# Allegro board hash851-X26_V1_0_180425.brd (continued)
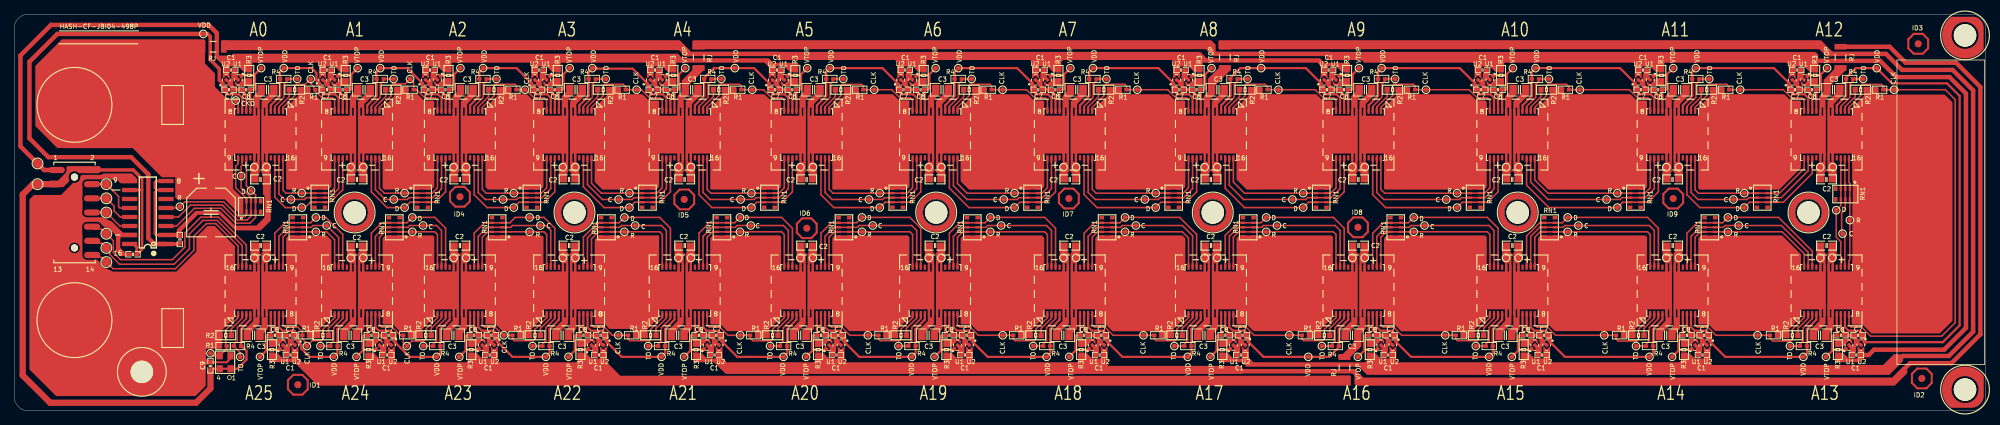
[diagram p0: board, top side]
## Placement (name value [footprint] x y rotation side) (continued)
VCORE  -  [PILLAR-10_2MM]  8.5 43.2 0 top
VCORE1  -  [TP40]  22.34 43.18 0 top
VDD_A0  -  [TP28]  26.66 53.21 180 top
VDD_A1  -  [TP28]  38.01 48.38 0 top
VDD_A2  -  [TP28]  51.61 48.38 0 top
VDD_A3  -  [TP28]  66.11 48.38 0 top
VDD_A4  -  [TP28]  81.51 48.38 0 top
VDD_A5  -  [TP28]  101.62 48.38 0 top
VDD_A6  -  [TP28]  115.01 48.38 0 top
VDD_A7  -  [TP28]  133.11 48.38 0 top
VDD_A8  -  [TP28]  152.11 48.38 0 top
VDD_A9  -  [TP28]  175.82 48.38 0 top
VDD_A10  -  [TP28]  192.81 48.38 0 top
VDD_A11  -  [TP28]  214.51 48.38 0 top
VDD_A12  -  [TP28]  237.11 48.38 0 top
VDD_A13  -  [TP28]  262.62 48.38 0 top
VDD_A14  -  [TP28]  252.28 7.62 180 top
VDD_A15  -  [TP28]  230.58 7.62 180 top
VDD_A16  -  [TP28]  207.98 7.62 180 top
VDD_A17  -  [TP28]  182.47 7.62 180 top
VDD_A18  -  [TP28]  165.48 7.62 180 top
VDD_A19  -  [TP28]  145.58 7.62 180 top
VDD_A20  -  [TP28]  126.58 7.62 180 top
VDD_A21  -  [TP28]  108.48 7.62 180 top
VDD_A22  -  [TP28]  91.28 7.62 180 top
VDD_A23  -  [TP28]  74.98 7.62 180 top
VDD_A24  -  [TP28]  59.58 7.62 180 top
VDD_A25  -  [TP28]  45.08 7.62 180 top
VTOP_A0  -  [TP28]  34.82 48.38 180 top
VTOP_A1  -  [TP28]  48.42 48.38 180 top
VTOP_A2  -  [TP28]  62.92 48.38 180 top
VTOP_A3  -  [TP28]  78.32 48.38 180 top
VTOP_A4  -  [TP28]  94.62 48.38 180 top
VTOP_A5  -  [TP28]  111.82 48.38 180 top
VTOP_A6  -  [TP28]  129.92 48.38 180 top
VTOP_A7  -  [TP28]  148.92 48.38 180 top
VTOP_A8  -  [TP28]  168.82 48.38 180 top
VTOP_A9  -  [TP28]  189.62 48.38 180 top
VTOP_A10  -  [TP28]  211.32 48.38 180 top
VTOP_A11  -  [TP28]  233.92 48.38 180 top
VTOP_A12  -  [TP28]  255.62 48.38 180 top
VTOP_A13  -  [TP28]  255.46 7.62 0 top
VTOP_A14  -  [TP28]  233.76 7.62 0 top
VTOP_A15  -  [TP28]  211.16 7.62 0 top
VTOP_A16  -  [TP28]  189.46 7.62 0 top
VTOP_A17  -  [TP28]  168.66 7.62 0 top
VTOP_A18  -  [TP28]  148.76 7.62 0 top
VTOP_A19  -  [TP28]  129.76 7.62 0 top
VTOP_A20  -  [TP28]  111.66 7.62 0 top
VTOP_A21  -  [TP28]  94.46 7.62 0 top
VTOP_A22  -  [TP28]  78.16 7.62 0 top
VTOP_A23  -  [TP28]  62.76 7.62 0 top
VTOP_A24  -  [TP28]  48.26 7.62 0 top
VTOP_A25  -  [TP28]  34.66 7.62 0 top

## Library data of the parts
+_A0-+_A25 -_A0--_A25 C_A0-C_A25 CLK CLK_A0-CLK_A25 D_A0-D_A25 R_A0-R_A25 TO_A0-TO_A25 VDD_A0-VDD_A25 VTOP_A0-VTOP_A25 = TP28
A8_A0-A8_A25 = DFN-A8-007
C1_A0-C1_A25 C5 C6 C7_A0-C7_A25 C8_A0-C8_A25 C9 = C0402
C2_A0-C2_A25 = C0603
C3_A0-C3_A25 = C0805
C4 = C6666-100
CI CO DI DO RI RO UNK1V8 UNK12V = TP50
GND1 VCORE = PILLAR-10_2MM
GND2 VCORE1 = TP40
ID1-ID9 = ID1
J1 = HEAD-IDC-14-80-275-P2-SMD
M0 M1 M6 = HOLE-M3-NP-C
M2-M5 M7 M8 = HOLE-M3-NP-B
OSC = X4-2520-010
R1_A0-R1_A25 R4_A0-R4_A25 = R0402
R2_A0-R2_A25 R3_A0-R3_A25 = R0603
RJ1-RJ5 = R1206
RN1_A0-RN1_A25 = RN0402-8-A
U1_A0-U1_A25 U2_A0-U2_A25 = DFN4-065-0101-006-N
U3 = SOP16-50-157-69

## Footprints (pads in the part's own frame, mm; a bottom-side part is the same pattern mirrored in y, then rotated)
C0402
  rect 0.635x0.508 smd: 1(-0.508,0) 2(0.508,0)
C0603
  rect 0.889x0.813 smd: 1(-0.762,0) 2(0.762,0)
C0805
  rect 1.016x1.397 smd: 1(-0.889,0) 2(0.889,0)
C6666-100
  rect 1.016x3.175 smd: 1(0,-3.503) 2(0,3.503)
DFN4-065-0101-006-N
  custom 0.25x0.47 smd: 1(-0.325,-0.415)
  custom 0.25x0.4 smd: 2(0.325,-0.45) 3(0.325,0.45) 4(-0.325,0.45)
  rect 0.457x0.457 smd rot 45: 5(0,0)
DFN-A8-007
  rect 0.75x0.325 smd: 1(-3.275,3.163) 2(-3.275,2.587) 3(-3.275,2.012) 4(-3.275,1.437) 5(-3.275,-1.437) 6(-3.275,-2.012) 7(-3.275,-2.587) 8(-3.275,-3.163) 9(3.275,-3.163) 10(3.275,-2.587) 11(3.275,-2.012) 12(3.275,-1.437) 13(3.275,1.437) 14(3.275,2.012) 15(3.275,2.587) 16(3.275,3.163)
  custom 7.3x3.525 smd: 17(0,1.887) 18(0,-1.887)
HEAD-IDC-14-80-275-P2-SMD
  round 1.016 hole 1.016 unplated: (-5,0) (5,0)
  oval 0.889x2.286 smd: 1(-6,-2.5) 2(-6,2.5) 3(-4,-2.532) 4(-4,2.468) 5(-2,-2.532) 6(-2,2.468) 7(0,-2.532) 8(0,2.468) 9(2,-2.532) 10(2,2.468) 11(4,-2.5) 12(4,2.5) 13(6,-2.5) 14(6,2.5)
HOLE-M3-NP-B
  round 3.175 hole 3.175 unplated: (0,0)
HOLE-M3-NP-C
  round 3.175 hole 3.175 unplated: (0,0)
ID1
  round 1.016 smd: 1(0,0)
PILLAR-10_2MM
  round 10.211 smd: 1(0,0)
R0402
  rect 0.635x0.508 smd: 1(-0.508,0) 2(0.508,0)
R0603
  rect 0.762x0.813 smd: 1(-0.773,0) 2(0.773,0)
R1206
  rect 0.8x1.702 smd: 1(-1.5,0) 2(1.5,0)
RN0402-8-A
  rect 0.65x0.51 smd: 1(-0.75,1.36) 5(-0.75,-1.36) 6(0.75,-1.36) 10(0.75,1.36)
  rect 0.65x0.35 smd: 2(-0.75,0.64) 3(-0.75,0) 4(-0.75,-0.64) 7(0.75,-0.64) 8(0.75,0) 9(0.75,0.64)
SOP16-50-157-69
  rect 2.159x0.61 smd: 1(-2.565,4.445) 2(-2.565,3.175) 3(-2.565,1.905) 4(-2.565,0.635) 5(-2.565,-0.635) 6(-2.565,-1.905) 7(-2.565,-3.175) 8(-2.565,-4.445) 9(2.565,-4.445) 10(2.565,-3.175) 11(2.565,-1.905) 12(2.565,-0.635) 13(2.565,0.635) 14(2.565,1.905) 15(2.565,3.175) 16(2.565,4.445)
TP28
  round 0.711 smd: 1(0,0)
TP40
  rect 2.54x5.08 smd: 1(0,0)
TP50
  round 1.27 smd: 1(0,0)
X4-2520-010
  rect 1.016x0.889 smd: 1(-0.914,-0.762) 2(0.914,-0.762) 3(0.914,0.762) 4(-0.914,0.762)

## Nets
1V8: A8_A25.4 C6.1 C9.1 J1.2 J1.3 OSC.1 OSC.4 R4_A25.1 U3.10 U3.16 UNK1V8.1
12V: C1_A0.1 C1_A1.1 C1_A2.1 C1_A3.1 C1_A4.1 C1_A5.1 J1.1 R3_A0.1 R3_A1.1 R3_A2.1 R3_A3.1 R3_A4.1 R3_A5.1 U2_A0.3 U2_A0.4 U2_A1.3 U2_A1.4 U2_A2.3 U2_A2.4 U2_A3.3 U2_A3.4 U2_A4.3 U2_A4.4 U2_A5.3 U2_A5.4 UNK12V.1
GND: -_A25.1 A8_A25.17 C2_A25.2 C3_A25.2 C4.2 C6.2 C9.2 GND1.1 GND2.1 J1.5 J1.7 J1.9 J1.11 J1.13 OSC.2 R1_A25.1 R2_A25.2 U3.9 U3.15
GND_FINAL: +_A1.1 -_A0.1 A8_A0.17 A8_A1.18 C2_A0.2 C2_A1.1 C3_A0.2 C3_A1.1 C5.2 R1_A0.1 R2_A0.2 RN1_A1.5 RN1_A1.6 U3.2 U3.7 U3.8
VSS_A0: A8_A0.6 C1_A0.2 C7_A0.2 C8_A0.1 U1_A0.2 U1_A0.5 U2_A0.2 U2_A0.5
VSS_A1: A8_A1.6 C1_A1.2 C7_A1.2 C8_A1.1 U1_A1.2 U1_A1.5 U2_A1.2 U2_A1.5
VSS_A2: A8_A2.6 C1_A2.2 C7_A2.2 C8_A2.1 U1_A2.2 U1_A2.5 U2_A2.2 U2_A2.5
VSS_A3: A8_A3.6 C1_A3.2 C7_A3.2 C8_A3.1 U1_A3.2 U1_A3.5 U2_A3.2 U2_A3.5
VSS_A4: A8_A4.6 C1_A4.2 C7_A4.2 C8_A4.1 U1_A4.2 U1_A4.5 U2_A4.2 U2_A4.5
VSS_A5: A8_A5.6 C1_A5.2 C7_A5.2 C8_A5.1 U1_A5.2 U1_A5.5 U2_A5.2 U2_A5.5
VSS_A6: A8_A6.6 C1_A6.2 C7_A6.2 C8_A6.1 U1_A6.2 U1_A6.5 U2_A6.2 U2_A6.5
VSS_A7: A8_A7.6 C1_A7.2 C7_A7.2 C8_A7.1 U1_A7.2 U1_A7.5 U2_A7.2 U2_A7.5
VSS_A8: A8_A8.6 C1_A8.2 C7_A8.2 C8_A8.1 U1_A8.2 U1_A8.5 U2_A8.2 U2_A8.5
VSS_A9: A8_A9.6 C1_A9.2 C7_A9.2 C8_A9.1 U1_A9.2 U1_A9.5 U2_A9.2 U2_A9.5
VSS_A10: A8_A10.6 C1_A10.2 C7_A10.2 C8_A10.1 U1_A10.2 U1_A10.5 U2_A10.2 U2_A10.5
VSS_A11: A8_A11.6 C1_A11.2 C7_A11.2 C8_A11.1 U1_A11.2 U1_A11.5 U2_A11.2 U2_A11.5
VSS_A12: A8_A12.6 C1_A12.2 C7_A12.2 C8_A12.1 U1_A12.2 U1_A12.5 U2_A12.2 U2_A12.5
VSS_A13: A8_A13.6 C1_A13.2 C7_A13.2 C8_A13.1 U1_A13.2 U1_A13.5 U2_A13.2 U2_A13.5
VSS_A14: A8_A14.6 C1_A14.2 C7_A14.2 C8_A14.1 U1_A14.2 U1_A14.5 U2_A14.2 U2_A14.5
VSS_A15: A8_A15.6 C1_A15.2 C7_A15.2 C8_A15.1 U1_A15.2 U1_A15.5 U2_A15.2 U2_A15.5
VSS_A16: A8_A16.6 C1_A16.2 C7_A16.2 C8_A16.1 U1_A16.2 U1_A16.5 U2_A16.2 U2_A16.5
VSS_A17: A8_A17.6 C1_A17.2 C7_A17.2 C8_A17.1 U1_A17.2 U1_A17.5 U2_A17.2 U2_A17.5
VSS_A18: A8_A18.6 C1_A18.2 C7_A18.2 C8_A18.1 U1_A18.2 U1_A18.5 U2_A18.2 U2_A18.5
VSS_A19: A8_A19.6 C1_A19.2 C7_A19.2 C8_A19.1 U1_A19.2 U1_A19.5 U2_A19.2 U2_A19.5
VSS_A20: A8_A20.6 C1_A20.2 C7_A20.2 C8_A20.1 U1_A20.2 U1_A20.5 U2_A20.2 U2_A20.5
VSS_A21: A8_A21.6 C1_A21.2 C7_A21.2 C8_A21.1 U1_A21.2 U1_A21.5 U2_A21.2 U2_A21.5
VSS_A22: A8_A22.6 C1_A22.2 C7_A22.2 C8_A22.1 U1_A22.2 U1_A22.5 U2_A22.2 U2_A22.5
VSS_A23: A8_A23.6 C1_A23.2 C7_A23.2 C8_A23.1 U1_A23.2 U1_A23.5 U2_A23.2 U2_A23.5
VSS_A24: A8_A24.6 C1_A24.2 C7_A24.2 C8_A24.1 U1_A24.2 U1_A24.5 U2_A24.2 U2_A24.5
VSS_A25: A8_A25.6 C1_A25.2 C7_A25.2 C8_A25.1 U1_A25.2 U1_A25.5 U2_A25.2 U2_A25.5
CI: A8_A25.15 CI.1 J1.12
CI_A0: A8_A0.15 A8_A1.10 C_A1.1 RN1_A1.3 RN1_A1.8
CI_A1: A8_A1.15 A8_A2.10 C_A2.1 RN1_A2.3 RN1_A2.8
CI_A2: A8_A2.15 A8_A3.10 C_A3.1 RN1_A3.3 RN1_A3.8
CI_A3: A8_A3.15 A8_A4.10 C_A4.1 RN1_A4.3 RN1_A4.8
CI_A4: A8_A4.15 A8_A5.10 C_A5.1 RN1_A5.3 RN1_A5.8
CI_A5: A8_A5.15 A8_A6.10 C_A6.1 RN1_A6.3 RN1_A6.8
CI_A6: A8_A6.15 A8_A7.10 C_A7.1 RN1_A7.3 RN1_A7.8
CI_A7: A8_A7.15 A8_A8.10 C_A8.1 RN1_A8.3 RN1_A8.8
CI_A8: A8_A8.15 A8_A9.10 C_A9.1 RN1_A9.3 RN1_A9.8
CI_A9: A8_A9.15 A8_A10.10 C_A10.1 RN1_A10.3 RN1_A10.8
CI_A10: A8_A10.15 A8_A11.10 C_A11.1 RN1_A11.3 RN1_A11.8
CI_A11: A8_A11.15 A8_A12.10 C_A12.1 RN1_A12.3 RN1_A12.8
CI_A12: A8_A12.15 A8_A13.10 C_A13.1 RN1_A13.3 RN1_A13.8
CI_A13: A8_A13.15 A8_A14.10 C_A14.1 RN1_A14.3 RN1_A14.8
CI_A14: A8_A14.15 A8_A15.10 C_A15.1 RN1_A15.3 RN1_A15.8
CI_A15: A8_A15.15 A8_A16.10 C_A16.1 RN1_A16.3 RN1_A16.8
CI_A16: A8_A16.15 A8_A17.10 C_A17.1 RN1_A17.3 RN1_A17.8
CI_A17: A8_A17.15 A8_A18.10 C_A18.1 RN1_A18.3 RN1_A18.8
CI_A18: A8_A18.15 A8_A19.10 C_A19.1 RN1_A19.3 RN1_A19.8
CI_A19: A8_A19.15 A8_A20.10 C_A20.1 RN1_A20.3 RN1_A20.8
CI_A20: A8_A20.15 A8_A21.10 C_A21.1 RN1_A21.3 RN1_A21.8
CI_A21: A8_A21.15 A8_A22.10 C_A22.1 RN1_A22.3 RN1_A22.8
CI_A22: A8_A22.15 A8_A23.10 C_A23.1 RN1_A23.3 RN1_A23.8
CI_A23: A8_A23.15 A8_A24.10 C_A24.1 RN1_A24.3 RN1_A24.8
CI_A24: A8_A24.15 A8_A25.10 C_A25.1 RN1_A25.3 RN1_A25.8
CKI_A0: A8_A0.1 A8_A1.8 CLK_A1.1 R1_A0.2
CKI_A1: A8_A1.1 A8_A2.8 CLK_A2.1 R1_A1.2
CKI_A2: A8_A2.1 A8_A3.8 CLK_A3.1 R1_A2.2
CKI_A3: A8_A3.1 A8_A4.8 CLK_A4.1 R1_A3.2
CKI_A4: A8_A4.1 A8_A5.8 CLK_A5.1 R1_A4.2
CKI_A5: A8_A5.1 A8_A6.8 CLK_A6.1 R1_A5.2
CKI_A6: A8_A6.1 A8_A7.8 CLK_A7.1 R1_A6.2
CKI_A7: A8_A7.1 A8_A8.8 CLK_A8.1 R1_A7.2
CKI_A8: A8_A8.1 A8_A9.8 CLK_A9.1 R1_A8.2
CKI_A9: A8_A9.1 A8_A10.8 CLK_A10.1 R1_A9.2
CKI_A10: A8_A10.1 A8_A11.8 CLK_A11.1 R1_A10.2
CKI_A11: A8_A11.1 A8_A12.8 CLK_A12.1 R1_A11.2
CKI_A12: A8_A12.1 A8_A13.8 CLK_A13.1 R1_A12.2
CKI_A13: A8_A13.1 A8_A14.8 CLK_A14.1 R1_A13.2
CKI_A14: A8_A14.1 A8_A15.8 CLK_A15.1 R1_A14.2
CKI_A15: A8_A15.1 A8_A16.8 CLK_A16.1 R1_A15.2
CKI_A16: A8_A16.1 A8_A17.8 CLK_A17.1 R1_A16.2
CKI_A17: A8_A17.1 A8_A18.8 CLK_A18.1 R1_A17.2
CKI_A18: A8_A18.1 A8_A19.8 CLK_A19.1 R1_A18.2
CKI_A19: A8_A19.1 A8_A20.8 CLK_A20.1 R1_A19.2
CKI_A20: A8_A20.1 A8_A21.8 CLK_A21.1 R1_A20.2
CKI_A21: A8_A21.1 A8_A22.8 CLK_A22.1 R1_A21.2
CKI_A22: A8_A22.1 A8_A23.8 CLK_A23.1 R1_A22.2
CKI_A23: A8_A23.1 A8_A24.8 CLK_A24.1 R1_A23.2
CKI_A24: A8_A24.1 A8_A25.8 CLK_A25.1 R1_A24.2
CKI_A25: A8_A25.1 CLK.1 OSC.3 R1_A25.2
CKO_A0: A8_A0.8 CLK_A0.1
CO: CO.1 J1.6 U3.13
CO_A0: A8_A0.10 C_A0.1 RN1_A0.3 RN1_A0.8 U3.4
DI: A8_A25.14 DI.1 J1.10
DI_A0: A8_A0.14 A8_A1.11 D_A1.1 RN1_A1.2 RN1_A1.9
DI_A1: A8_A1.14 A8_A2.11 D_A2.1 RN1_A2.2 RN1_A2.9
DI_A2: A8_A2.14 A8_A3.11 D_A3.1 RN1_A3.2 RN1_A3.9
DI_A3: A8_A3.14 A8_A4.11 D_A4.1 RN1_A4.2 RN1_A4.9
DI_A4: A8_A4.14 A8_A5.11 D_A5.1 RN1_A5.2 RN1_A5.9
DI_A5: A8_A5.14 A8_A6.11 D_A6.1 RN1_A6.2 RN1_A6.9
DI_A6: A8_A6.14 A8_A7.11 D_A7.1 RN1_A7.2 RN1_A7.9
DI_A7: A8_A7.14 A8_A8.11 D_A8.1 RN1_A8.2 RN1_A8.9
DI_A8: A8_A8.14 A8_A9.11 D_A9.1 RN1_A9.2 RN1_A9.9
DI_A9: A8_A9.14 A8_A10.11 D_A10.1 RN1_A10.2 RN1_A10.9
DI_A10: A8_A10.14 A8_A11.11 D_A11.1 RN1_A11.2 RN1_A11.9
DI_A11: A8_A11.14 A8_A12.11 D_A12.1 RN1_A12.2 RN1_A12.9
DI_A12: A8_A12.14 A8_A13.11 D_A13.1 RN1_A13.2 RN1_A13.9
DI_A13: A8_A13.14 A8_A14.11 D_A14.1 RN1_A14.2 RN1_A14.9
DI_A14: A8_A14.14 A8_A15.11 D_A15.1 RN1_A15.2 RN1_A15.9
DI_A15: A8_A15.14 A8_A16.11 D_A16.1 RN1_A16.2 RN1_A16.9
DI_A16: A8_A16.14 A8_A17.11 D_A17.1 RN1_A17.2 RN1_A17.9
DI_A17: A8_A17.14 A8_A18.11 D_A18.1 RN1_A18.2 RN1_A18.9
DI_A18: A8_A18.14 A8_A19.11 D_A19.1 RN1_A19.2 RN1_A19.9
DI_A19: A8_A19.14 A8_A20.11 D_A20.1 RN1_A20.2 RN1_A20.9
DI_A20: A8_A20.14 A8_A21.11 D_A21.1 RN1_A21.2 RN1_A21.9
DI_A21: A8_A21.14 A8_A22.11 D_A22.1 RN1_A22.2 RN1_A22.9
DI_A22: A8_A22.14 A8_A23.11 D_A23.1 RN1_A23.2 RN1_A23.9
DI_A23: A8_A23.14 A8_A24.11 D_A24.1 RN1_A24.2 RN1_A24.9
DI_A24: A8_A24.14 A8_A25.11 D_A25.1 RN1_A25.2 RN1_A25.9
DO: DO.1 J1.8 U3.14
DO_A0: A8_A0.11 D_A0.1 RN1_A0.2 RN1_A0.9 U3.3
LDO_VCC_A6: C1_A6.1 C1_A7.1 C1_A8.1 C1_A9.1 R3_A6.1 R3_A7.1 R3_A8.1 R3_A9.1 RJ5.2 U2_A6.3 U2_A6.4 U2_A7.3 U2_A7.4 U2_A8.3 U2_A8.4 U2_A9.3 U2_A9.4
LDO_VCC_A10: C1_A10.1 C1_A11.1 C1_A12.1 C1_A13.1 R3_A10.1 R3_A11.1 R3_A12.1 R3_A13.1 RJ4.2 U2_A10.3 U2_A10.4 U2_A11.3 U2_A11.4 U2_A12.3 U2_A12.4 U2_A13.3 U2_A13.4
LDO_VCC_A14: C1_A14.1 C1_A15.1 C1_A16.1 C1_A17.1 R3_A14.1 R3_A15.1 R3_A16.1 R3_A17.1 RJ3.1 U2_A14.3 U2_A14.4 U2_A15.3 U2_A15.4 U2_A16.3 U2_A16.4 U2_A17.3 U2_A17.4
LDO_VCC_A18: C1_A18.1 C1_A19.1 C1_A20.1 C1_A21.1 R3_A18.1 R3_A19.1 R3_A20.1 R3_A21.1 RJ2.1 U2_A18.3 U2_A18.4 U2_A19.3 U2_A19.4 U2_A20.3 U2_A20.4 U2_A21.3 U2_A21.4
LDO_VCC_A22: C1_A22.1 C1_A23.1 C1_A24.1 C1_A25.1 R3_A22.1 R3_A23.1 R3_A24.1 R3_A25.1 RJ1.2 U2_A22.3 U2_A22.4 U2_A23.3 U2_A23.4 U2_A24.3 U2_A24.4 U2_A25.3 U2_A25.4
LDO_VDD_A0: R3_A0.2 U1_A0.3 U1_A0.4
LDO_VDD_A1: R3_A1.2 U1_A1.3 U1_A1.4
LDO_VDD_A2: R3_A2.2 U1_A2.3 U1_A2.4
LDO_VDD_A3: R3_A3.2 U1_A3.3 U1_A3.4
LDO_VDD_A4: R3_A4.2 U1_A4.3 U1_A4.4
LDO_VDD_A5: R3_A5.2 U1_A5.3 U1_A5.4
LDO_VDD_A6: R3_A6.2 U1_A6.3 U1_A6.4
LDO_VDD_A7: R3_A7.2 U1_A7.3 U1_A7.4
LDO_VDD_A8: R3_A8.2 U1_A8.3 U1_A8.4
LDO_VDD_A9: R3_A9.2 U1_A9.3 U1_A9.4
LDO_VDD_A10: R3_A10.2 U1_A10.3 U1_A10.4
LDO_VDD_A11: R3_A11.2 U1_A11.3 U1_A11.4
LDO_VDD_A12: R3_A12.2 U1_A12.3 U1_A12.4
LDO_VDD_A13: R3_A13.2 U1_A13.3 U1_A13.4
LDO_VDD_A14: R3_A14.2 U1_A14.3 U1_A14.4
LDO_VDD_A15: R3_A15.2 U1_A15.3 U1_A15.4
LDO_VDD_A16: R3_A16.2 U1_A16.3 U1_A16.4
LDO_VDD_A17: R3_A17.2 U1_A17.3 U1_A17.4
LDO_VDD_A18: R3_A18.2 U1_A18.3 U1_A18.4
LDO_VDD_A19: R3_A19.2 U1_A19.3 U1_A19.4
LDO_VDD_A20: R3_A20.2 U1_A20.3 U1_A20.4
LDO_VDD_A21: R3_A21.2 U1_A21.3 U1_A21.4
LDO_VDD_A22: R3_A22.2 U1_A22.3 U1_A22.4
LDO_VDD_A23: R3_A23.2 U1_A23.3 U1_A23.4
LDO_VDD_A24: R3_A24.2 U1_A24.3 U1_A24.4
LDO_VDD_A25: R3_A25.2 U1_A25.3 U1_A25.4
NETA8_A0_2: A8_A0.2 R2_A0.1
NETA8_A0_3: A8_A0.3 R4_A0.2 TO_A0.1
NETA8_A0_5: A8_A0.5 C8_A0.2 U1_A0.1 VTOP_A0.1
NETA8_A1_2: A8_A1.2 R2_A1.1
NETA8_A1_3: A8_A1.3 R4_A1.2 TO_A1.1
NETA8_A1_5: A8_A1.5 C8_A1.2 U1_A1.1 VTOP_A1.1
NETA8_A2_2: A8_A2.2 R2_A2.1
NETA8_A2_3: A8_A2.3 R4_A2.2 TO_A2.1
NETA8_A2_5: A8_A2.5 C8_A2.2 U1_A2.1 VTOP_A2.1
NETA8_A3_2: A8_A3.2 R2_A3.1
NETA8_A3_3: A8_A3.3 R4_A3.2 TO_A3.1
NETA8_A3_5: A8_A3.5 C8_A3.2 U1_A3.1 VTOP_A3.1
NETA8_A4_2: A8_A4.2 R2_A4.1
NETA8_A4_3: A8_A4.3 R4_A4.2 TO_A4.1
NETA8_A4_5: A8_A4.5 C8_A4.2 U1_A4.1 VTOP_A4.1
NETA8_A5_2: A8_A5.2 R2_A5.1
NETA8_A5_3: A8_A5.3 R4_A5.2 TO_A5.1
NETA8_A5_5: A8_A5.5 C8_A5.2 U1_A5.1 VTOP_A5.1
NETA8_A6_2: A8_A6.2 R2_A6.1
NETA8_A6_3: A8_A6.3 R4_A6.2 TO_A6.1
NETA8_A6_5: A8_A6.5 C8_A6.2 U1_A6.1 VTOP_A6.1
NETA8_A7_2: A8_A7.2 R2_A7.1
NETA8_A7_3: A8_A7.3 R4_A7.2 TO_A7.1
NETA8_A7_5: A8_A7.5 C8_A7.2 U1_A7.1 VTOP_A7.1
NETA8_A8_2: A8_A8.2 R2_A8.1
NETA8_A8_3: A8_A8.3 R4_A8.2 TO_A8.1
NETA8_A8_5: A8_A8.5 C8_A8.2 U1_A8.1 VTOP_A8.1
NETA8_A9_2: A8_A9.2 R2_A9.1
NETA8_A9_3: A8_A9.3 R4_A9.2 TO_A9.1
NETA8_A9_5: A8_A9.5 C8_A9.2 U1_A9.1 VTOP_A9.1
NETA8_A10_2: A8_A10.2 R2_A10.1
NETA8_A10_3: A8_A10.3 R4_A10.2 TO_A10.1
NETA8_A10_5: A8_A10.5 C8_A10.2 U1_A10.1 VTOP_A10.1
NETA8_A11_2: A8_A11.2 R2_A11.1
NETA8_A11_3: A8_A11.3 R4_A11.2 TO_A11.1
NETA8_A11_5: A8_A11.5 C8_A11.2 U1_A11.1 VTOP_A11.1
NETA8_A12_2: A8_A12.2 R2_A12.1
NETA8_A12_3: A8_A12.3 R4_A12.2 TO_A12.1
NETA8_A12_5: A8_A12.5 C8_A12.2 U1_A12.1 VTOP_A12.1
NETA8_A13_2: A8_A13.2 R2_A13.1
NETA8_A13_3: A8_A13.3 R4_A13.2 TO_A13.1
NETA8_A13_5: A8_A13.5 C8_A13.2 U1_A13.1 VTOP_A13.1
NETA8_A14_2: A8_A14.2 R2_A14.1
NETA8_A14_3: A8_A14.3 R4_A14.2 TO_A14.1
NETA8_A14_5: A8_A14.5 C8_A14.2 U1_A14.1 VTOP_A14.1
NETA8_A15_2: A8_A15.2 R2_A15.1
NETA8_A15_3: A8_A15.3 R4_A15.2 TO_A15.1
NETA8_A15_5: A8_A15.5 C8_A15.2 U1_A15.1 VTOP_A15.1
NETA8_A16_2: A8_A16.2 R2_A16.1
NETA8_A16_3: A8_A16.3 R4_A16.2 TO_A16.1
NETA8_A16_5: A8_A16.5 C8_A16.2 U1_A16.1 VTOP_A16.1
NETA8_A17_2: A8_A17.2 R2_A17.1
NETA8_A17_3: A8_A17.3 R4_A17.2 TO_A17.1
NETA8_A17_5: A8_A17.5 C8_A17.2 U1_A17.1 VTOP_A17.1
NETA8_A18_2: A8_A18.2 R2_A18.1
NETA8_A18_3: A8_A18.3 R4_A18.2 TO_A18.1
NETA8_A18_5: A8_A18.5 C8_A18.2 U1_A18.1 VTOP_A18.1
NETA8_A19_2: A8_A19.2 R2_A19.1
NETA8_A19_3: A8_A19.3 R4_A19.2 TO_A19.1
NETA8_A19_5: A8_A19.5 C8_A19.2 U1_A19.1 VTOP_A19.1
NETA8_A20_2: A8_A20.2 R2_A20.1
NETA8_A20_3: A8_A20.3 R4_A20.2 TO_A20.1
NETA8_A20_5: A8_A20.5 C8_A20.2 U1_A20.1 VTOP_A20.1
NETA8_A21_2: A8_A21.2 R2_A21.1
NETA8_A21_3: A8_A21.3 R4_A21.2 TO_A21.1
NETA8_A21_5: A8_A21.5 C8_A21.2 U1_A21.1 VTOP_A21.1
NETA8_A22_2: A8_A22.2 R2_A22.1
NETA8_A22_3: A8_A22.3 R4_A22.2 TO_A22.1
NETA8_A22_5: A8_A22.5 C8_A22.2 U1_A22.1 VTOP_A22.1
NETA8_A23_2: A8_A23.2 R2_A23.1
NETA8_A23_3: A8_A23.3 R4_A23.2 TO_A23.1
NETA8_A23_5: A8_A23.5 C8_A23.2 U1_A23.1 VTOP_A23.1
NETA8_A24_2: A8_A24.2 R2_A24.1
NETA8_A24_3: A8_A24.3 R4_A24.2 TO_A24.1
NETA8_A24_5: A8_A24.5 C8_A24.2 U1_A24.1 VTOP_A24.1
NETA8_A25_2: A8_A25.2 R2_A25.1
NETA8_A25_3: A8_A25.3 R4_A25.2 TO_A25.1
NETA8_A25_5: A8_A25.5 C8_A25.2 U1_A25.1 VTOP_A25.1
RI: A8_A25.16 J1.14 RI.1
RI_A0: A8_A0.16 A8_A1.9 R_A1.1 RN1_A1.4 RN1_A1.7
RI_A1: A8_A1.16 A8_A2.9 R_A2.1 RN1_A2.4 RN1_A2.7
RI_A2: A8_A2.16 A8_A3.9 R_A3.1 RN1_A3.4 RN1_A3.7
RI_A3: A8_A3.16 A8_A4.9 R_A4.1 RN1_A4.4 RN1_A4.7
RI_A4: A8_A4.16 A8_A5.9 R_A5.1 RN1_A5.4 RN1_A5.7
RI_A5: A8_A5.16 A8_A6.9 R_A6.1 RN1_A6.4 RN1_A6.7
RI_A6: A8_A6.16 A8_A7.9 R_A7.1 RN1_A7.4 RN1_A7.7
RI_A7: A8_A7.16 A8_A8.9 R_A8.1 RN1_A8.4 RN1_A8.7
RI_A8: A8_A8.16 A8_A9.9 R_A9.1 RN1_A9.4 RN1_A9.7
RI_A9: A8_A9.16 A8_A10.9 R_A10.1 RN1_A10.4 RN1_A10.7
RI_A10: A8_A10.16 A8_A11.9 R_A11.1 RN1_A11.4 RN1_A11.7
RI_A11: A8_A11.16 A8_A12.9 R_A12.1 RN1_A12.4 RN1_A12.7
RI_A12: A8_A12.16 A8_A13.9 R_A13.1 RN1_A13.4 RN1_A13.7
RI_A13: A8_A13.16 A8_A14.9 R_A14.1 RN1_A14.4 RN1_A14.7
RI_A14: A8_A14.16 A8_A15.9 R_A15.1 RN1_A15.4 RN1_A15.7
RI_A15: A8_A15.16 A8_A16.9 R_A16.1 RN1_A16.4 RN1_A16.7
RI_A16: A8_A16.16 A8_A17.9 R_A17.1 RN1_A17.4 RN1_A17.7
RI_A17: A8_A17.16 A8_A18.9 R_A18.1 RN1_A18.4 RN1_A18.7
RI_A18: A8_A18.16 A8_A19.9 R_A19.1 RN1_A19.4 RN1_A19.7
RI_A19: A8_A19.16 A8_A20.9 R_A20.1 RN1_A20.4 RN1_A20.7
RI_A20: A8_A20.16 A8_A21.9 R_A21.1 RN1_A21.4 RN1_A21.7
RI_A21: A8_A21.16 A8_A22.9 R_A22.1 RN1_A22.4 RN1_A22.7
RI_A22: A8_A22.16 A8_A23.9 R_A23.1 RN1_A23.4 RN1_A23.7
RI_A23: A8_A23.16 A8_A24.9 R_A24.1 RN1_A24.4 RN1_A24.7
RI_A24: A8_A24.16 A8_A25.9 R_A25.1 RN1_A25.4 RN1_A25.7
RO: J1.4 RO.1 U3.12
RO_A0: A8_A0.9 R_A0.1 RN1_A0.4 RN1_A0.7 U3.5
VCORE: +_A0.1 A8_A0.18 C2_A0.1 C3_A0.1 C4.1 RJ5.1 RN1_A0.5 RN1_A0.6 VCORE.1 VCORE1.1
VCORE+_A2: +_A2.1 -_A1.1 A8_A1.17 A8_A2.18 C2_A1.2 C2_A2.1 C3_A1.2 C3_A2.1 R1_A1.1 R2_A1.2 RN1_A2.5 RN1_A2.6
VCORE+_A3: +_A3.1 -_A2.1 A8_A2.17 A8_A3.18 C2_A2.2 C2_A3.1 C3_A2.2 C3_A3.1 R1_A2.1 R2_A2.2 RN1_A3.5 RN1_A3.6
VCORE+_A4: +_A4.1 -_A3.1 A8_A3.17 A8_A4.18 C2_A3.2 C2_A4.1 C3_A3.2 C3_A4.1 R1_A3.1 R2_A3.2 RJ4.1 RN1_A4.5 RN1_A4.6
VCORE+_A5: +_A5.1 -_A4.1 A8_A4.17 A8_A5.18 C2_A4.2 C2_A5.1 C3_A4.2 C3_A5.1 R1_A4.1 R2_A4.2 RN1_A5.5 RN1_A5.6
VCORE+_A6: +_A6.1 -_A5.1 A8_A5.17 A8_A6.18 C2_A5.2 C2_A6.1 C3_A5.2 C3_A6.1 R1_A5.1 R2_A5.2 RN1_A6.5 RN1_A6.6
VCORE+_A7: +_A7.1 -_A6.1 A8_A6.17 A8_A7.18 C2_A6.2 C2_A7.1 C3_A6.2 C3_A7.1 R1_A6.1 R2_A6.2 RN1_A7.5 RN1_A7.6
VCORE+_A8: +_A8.1 -_A7.1 A8_A7.17 A8_A8.18 C2_A7.2 C2_A8.1 C3_A7.2 C3_A8.1 R1_A7.1 R2_A7.2 RJ3.2 RN1_A8.5 RN1_A8.6
VCORE+_A9: +_A9.1 -_A8.1 A8_A8.17 A8_A9.18 C2_A8.2 C2_A9.1 C3_A8.2 C3_A9.1 R1_A8.1 R2_A8.2 RN1_A9.5 RN1_A9.6
VCORE+_A10: +_A10.1 -_A9.1 A8_A9.17 A8_A10.18 C2_A9.2 C2_A10.1 C3_A9.2 C3_A10.1 R1_A9.1 R2_A9.2 RN1_A10.5 RN1_A10.6
VCORE+_A11: +_A11.1 -_A10.1 A8_A10.17 A8_A11.18 C2_A10.2 C2_A11.1 C3_A10.2 C3_A11.1 R1_A10.1 R2_A10.2 RN1_A11.5 RN1_A11.6
VCORE+_A12: +_A12.1 -_A11.1 A8_A11.17 A8_A12.18 C2_A11.2 C2_A12.1 C3_A11.2 C3_A12.1 R1_A11.1 R2_A11.2 RJ2.2 RN1_A12.5 RN1_A12.6
VCORE+_A13: +_A13.1 -_A12.1 A8_A12.17 A8_A13.18 C2_A12.2 C2_A13.1 C3_A12.2 C3_A13.1 R1_A12.1 R2_A12.2 RN1_A13.5 RN1_A13.6
VCORE+_A14: +_A14.1 -_A13.1 A8_A13.17 A8_A14.18 C2_A13.2 C2_A14.1 C3_A13.2 C3_A14.1 R1_A13.1 R2_A13.2 RN1_A14.5 RN1_A14.6
VCORE+_A15: +_A15.1 -_A14.1 A8_A14.17 A8_A15.18 C2_A14.2 C2_A15.1 C3_A14.2 C3_A15.1 R1_A14.1 R2_A14.2 RN1_A15.5 RN1_A15.6
VCORE+_A16: +_A16.1 -_A15.1 A8_A15.17 A8_A16.18 C2_A15.2 C2_A16.1 C3_A15.2 C3_A16.1 R1_A15.1 R2_A15.2 RJ1.1 RN1_A16.5 RN1_A16.6
VCORE+_A17: +_A17.1 -_A16.1 A8_A16.17 A8_A17.18 C2_A16.2 C2_A17.1 C3_A16.2 C3_A17.1 R1_A16.1 R2_A16.2 RN1_A17.5 RN1_A17.6
VCORE+_A18: +_A18.1 -_A17.1 A8_A17.17 A8_A18.18 C2_A17.2 C2_A18.1 C3_A17.2 C3_A18.1 R1_A17.1 R2_A17.2 RN1_A18.5 RN1_A18.6
VCORE+_A19: +_A19.1 -_A18.1 A8_A18.17 A8_A19.18 C2_A18.2 C2_A19.1 C3_A18.2 C3_A19.1 R1_A18.1 R2_A18.2 RN1_A19.5 RN1_A19.6
VCORE+_A20: +_A20.1 -_A19.1 A8_A19.17 A8_A20.18 C2_A19.2 C2_A20.1 C3_A19.2 C3_A20.1 R1_A19.1 R2_A19.2 RN1_A20.5 RN1_A20.6
VCORE+_A21: +_A21.1 -_A20.1 A8_A20.17 A8_A21.18 C2_A20.2 C2_A21.1 C3_A20.2 C3_A21.1 R1_A20.1 R2_A20.2 RN1_A21.5 RN1_A21.6
VCORE+_A22: +_A22.1 -_A21.1 A8_A21.17 A8_A22.18 C2_A21.2 C2_A22.1 C3_A21.2 C3_A22.1 R1_A21.1 R2_A21.2 RN1_A22.5 RN1_A22.6
VCORE+_A23: +_A23.1 -_A22.1 A8_A22.17 A8_A23.18 C2_A22.2 C2_A23.1 C3_A22.2 C3_A23.1 R1_A22.1 R2_A22.2 RN1_A23.5 RN1_A23.6
VCORE+_A24: +_A24.1 -_A23.1 A8_A23.17 A8_A24.18 C2_A23.2 C2_A24.1 C3_A23.2 C3_A24.1 R1_A23.1 R2_A23.2 RN1_A24.5 RN1_A24.6
VCORE+_A25: +_A25.1 -_A24.1 A8_A24.17 A8_A25.18 C2_A24.2 C2_A25.1 C3_A24.2 C3_A25.1 R1_A24.1 R2_A24.2 RN1_A25.5 RN1_A25.6
VIOA_A0: A8_A0.7 C5.1 C7_A0.1 U2_A0.1 U3.1 VDD_A0.1
VIOA_A1: A8_A0.4 A8_A1.7 C7_A1.1 R4_A0.1 U2_A1.1 VDD_A1.1
VIOA_A2: A8_A1.4 A8_A2.7 C7_A2.1 R4_A1.1 U2_A2.1 VDD_A2.1
VIOA_A3: A8_A2.4 A8_A3.7 C7_A3.1 R4_A2.1 U2_A3.1 VDD_A3.1
VIOA_A4: A8_A3.4 A8_A4.7 C7_A4.1 R4_A3.1 U2_A4.1 VDD_A4.1
VIOA_A5: A8_A4.4 A8_A5.7 C7_A5.1 R4_A4.1 U2_A5.1 VDD_A5.1
VIOA_A6: A8_A5.4 A8_A6.7 C7_A6.1 R4_A5.1 U2_A6.1 VDD_A6.1
VIOA_A7: A8_A6.4 A8_A7.7 C7_A7.1 R4_A6.1 U2_A7.1 VDD_A7.1
VIOA_A8: A8_A7.4 A8_A8.7 C7_A8.1 R4_A7.1 U2_A8.1 VDD_A8.1
VIOA_A9: A8_A8.4 A8_A9.7 C7_A9.1 R4_A8.1 U2_A9.1 VDD_A9.1
VIOA_A10: A8_A9.4 A8_A10.7 C7_A10.1 R4_A9.1 U2_A10.1 VDD_A10.1
VIOA_A11: A8_A10.4 A8_A11.7 C7_A11.1 R4_A10.1 U2_A11.1 VDD_A11.1
VIOA_A12: A8_A11.4 A8_A12.7 C7_A12.1 R4_A11.1 U2_A12.1 VDD_A12.1
VIOA_A13: A8_A12.4 A8_A13.7 C7_A13.1 R4_A12.1 U2_A13.1 VDD_A13.1
VIOA_A14: A8_A13.4 A8_A14.7 C7_A14.1 R4_A13.1 U2_A14.1 VDD_A14.1
VIOA_A15: A8_A14.4 A8_A15.7 C7_A15.1 R4_A14.1 U2_A15.1 VDD_A15.1
VIOA_A16: A8_A15.4 A8_A16.7 C7_A16.1 R4_A15.1 U2_A16.1 VDD_A16.1
VIOA_A17: A8_A16.4 A8_A17.7 C7_A17.1 R4_A16.1 U2_A17.1 VDD_A17.1
VIOA_A18: A8_A17.4 A8_A18.7 C7_A18.1 R4_A17.1 U2_A18.1 VDD_A18.1
VIOA_A19: A8_A18.4 A8_A19.7 C7_A19.1 R4_A18.1 U2_A19.1 VDD_A19.1
VIOA_A20: A8_A19.4 A8_A20.7 C7_A20.1 R4_A19.1 U2_A20.1 VDD_A20.1
VIOA_A21: A8_A20.4 A8_A21.7 C7_A21.1 R4_A20.1 U2_A21.1 VDD_A21.1
VIOA_A22: A8_A21.4 A8_A22.7 C7_A22.1 R4_A21.1 U2_A22.1 VDD_A22.1
VIOA_A23: A8_A22.4 A8_A23.7 C7_A23.1 R4_A22.1 U2_A23.1 VDD_A23.1
VIOA_A24: A8_A23.4 A8_A24.7 C7_A24.1 R4_A23.1 U2_A24.1 VDD_A24.1
VIOA_A25: A8_A24.4 A8_A25.7 C7_A25.1 R4_A24.1 U2_A25.1 VDD_A25.1

Pads without a net: A8_A0 12 13; A8_A1 12 13; A8_A2 12 13; A8_A3 12 13; A8_A4 12 13; A8_A5 12 13; A8_A6 12 13; A8_A7 12 13; A8_A8 12 13; A8_A9 12 13; A8_A10 12 13; A8_A11 12 13; A8_A12 12 13; A8_A13 12 13; A8_A14 12 13; A8_A15 12 13; A8_A16 12 13; A8_A17 12 13; A8_A18 12 13; A8_A19 12 13; A8_A20 12 13; A8_A21 12 13; A8_A22 12 13; A8_A23 12 13; A8_A24 12 13; A8_A25 12 13; ID1 1; ID2 1; ID3 1; ID4 1; ID5 1; ID6 1; ID7 1; ID8 1; ID9 1; RN1_A0 1 10; RN1_A1 1 10; RN1_A2 1 10; RN1_A3 1 10; RN1_A4 1 10; RN1_A5 1 10; RN1_A6 1 10; RN1_A7 1 10; RN1_A8 1 10; RN1_A9 1 10; RN1_A10 1 10; RN1_A11 1 10; RN1_A12 1 10; RN1_A13 1 10; RN1_A14 1 10; RN1_A15 1 10; RN1_A16 1 10; RN1_A17 1 10; RN1_A18 1 10; RN1_A19 1 10; RN1_A20 1 10; RN1_A21 1 10; RN1_A22 1 10; RN1_A23 1 10; RN1_A24 1 10; RN1_A25 1 10; U3 6 11

## Routing (per net, layer and track width the routed paths; a pad name or vN(x,y) marks a point on that pad's centre or on a via; arc(x,y) is an arc through that point)
1V8: length 98
  TOP w0.229: C9.1 27.68,5.46
  TOP w0.325: A8_A25.4 33.3,12.87 31.97,11.53 31.97,9.17 R4_A25.1 32.06,9.14 32.76,8.45 32.76,7.24 31.46,5.94 OSC.1 OSC.4 27.78,5.94 C9.1
  TOP w0.381: U3.16 16.81,23.55 17.26,23.1 C6.1 17.33,22.1 18.02,22.8 18.02,31.17 ; 18.02,31.17 18.02,32.77 17.52,33.27 ; 18.02,31.17 U3.10
  TOP w0.508: J1.2 16.79,34 17.52,33.27
  TOP w0.889: J1.3 UNK1V8.1 2.66,32 1.2,30.54 1.2,5.02 5.07,1.14 25.64,1.14 27.68,3.17 27.68,5.46
12V: length 52.8
  TOP w0.508: 28.75,49.86 28.57,50.04
  TOP w0.635: 28.57,50.04 28.57,53.34 27.42,54.48 5.2,54.48 0.88,50.16 0.88,37.34 UNK12V.1 4.22,34 J1.1
GND: length 3.4
  TOP w0.305: C9.2 29.96,6.86 30.5,7.4 OSC.2
GND_FINAL: length 12.1
  TOP w0.305: 20.12,31.17 19.8,31.49 19.8,32.22 20.03,32.44 U3.8 ; 20.12,31.17 U3.7 ; 20.12,31.17 19.8,30.86 19.8,25.02 20,24.82 U3.2
CI: length 31.1
  TOP w0.229: 32.15,20.78 32.15,23.35 28.62,26.88 26.62,26.88 24.71,24.97 24.71,22.86 22.55,20.7 14.85,20.7 13.45,22.1 13.45,22.54 CI.1 12.33,23.67 11.33,23.67 J1.12
  TOP w0.325: A8_A25.15 32.15,20.78
CI_A0: length 18.9
  TOP w0.229: 45.75,35.22 45.75,31.36 44.48,30.09 RN1_A1.3 RN1_A1.8 41.18,30.09 40.93,29.84 C_A1.1 38.1,29.84 37.33,30.61 37.33,35.22
  TOP w0.325: A8_A0.15 37.33,35.22 ; 45.75,35.22 A8_A1.10
CI_A1: length 19.4
  TOP w0.229: 60.25,35.22 60.25,31.36 58.98,30.09 RN1_A2.3 RN1_A2.8 55.68,30.09 55.43,29.84 C_A2.1 52.31,29.84 50.93,31.22 50.93,35.22
  TOP w0.325: 60.25,35.22 A8_A2.10 ; 50.93,35.22 A8_A1.15
CI_A2: length 20.5
  TOP w0.229: 75.65,35.22 75.65,31.36 74.38,30.09 RN1_A3.3 RN1_A3.8 71.08,30.09 70.83,29.84 C_A3.1 66.42,29.84 65.43,30.83 65.43,35.22
  TOP w0.325: 75.65,35.22 A8_A3.10 ; 65.43,35.22 A8_A2.15
CI_A3: length 20.8
  TOP w0.229: 80.83,35.22 80.83,31.94 82.93,29.84 C_A4.1 87.13,29.84 87.38,30.09 RN1_A4.8 RN1_A4.3 90.69,30.09 91.95,31.36 91.95,35.22
  TOP w0.325: 80.83,35.22 A8_A3.15 ; 91.95,35.22 A8_A4.10
CI_A4: length 22.3
  TOP w0.229: 109.15,35.22 109.15,31.36 107.88,30.09 RN1_A5.3 RN1_A5.8 104.58,30.09 104.33,29.84 C_A5.1 98.12,29.84 97.13,30.83 97.13,35.22
  TOP w0.325: A8_A4.15 97.13,35.22 ; 109.15,35.22 A8_A5.10
CI_A5: length 23.2
  TOP w0.229: 127.25,35.22 127.25,31.36 125.99,30.09 RN1_A6.3 RN1_A6.8 122.68,30.09 122.43,29.84 C_A6.1 115.32,29.84 114.33,30.83 114.33,35.22
  TOP w0.325: 127.25,35.22 A8_A6.10 ; A8_A5.15 114.33,35.22
CI_A6: length 23.6
  TOP w0.229: 146.25,35.22 146.25,31.36 144.98,30.09 RN1_A7.3 RN1_A7.8 141.68,30.09 141.43,29.84 C_A7.1 134.36,29.84 132.43,31.77 132.43,35.22
  TOP w0.325: A8_A6.15 132.43,35.22 ; 146.25,35.22 A8_A7.10
CI_A7: length 25
  TOP w0.229: 166.15,35.22 166.15,31.36 164.88,30.09 RN1_A8.3 RN1_A8.8 161.58,30.09 161.33,29.84 C_A8.1 152.42,29.84 151.43,30.83 151.43,35.22
  TOP w0.325: A8_A7.15 151.43,35.22 ; 166.15,35.22 A8_A8.10
CI_A8: length 25.3
  TOP w0.229: 186.95,35.22 186.95,31.36 185.69,30.09 RN1_A9.3 RN1_A9.8 182.38,30.09 182.13,29.84 C_A9.1 173.35,29.84 171.33,31.85 171.33,35.22
  TOP w0.325: 186.95,35.22 A8_A9.10 ; A8_A8.15 171.33,35.22
CI_A9: length 26.8
  TOP w0.229: 208.65,35.22 208.65,31.36 207.38,30.09 RN1_A10.3 RN1_A10.8 204.08,30.09 203.83,29.84 C_A10.1 193.12,29.84 192.13,30.83 192.13,35.22
  TOP w0.325: A8_A9.15 192.13,35.22 ; 208.65,35.22 A8_A10.10
CI_A10: length 26.9
  TOP w0.229: 231.25,35.22 231.25,31.36 229.98,30.09 RN1_A11.3 RN1_A11.8 226.68,30.09 226.43,29.84 C_A11.1 216.27,29.84 213.83,32.28 213.83,35.22
  TOP w0.325: 231.25,35.22 A8_A11.10 ; 213.83,35.22 A8_A10.15
CI_A11: length 25.3
  TOP w0.229: 236.43,35.22 236.43,30.83 237.42,29.84 C_A12.1 244.32,29.84 244.57,30.09 RN1_A12.8 RN1_A12.3 249.16,30.09 252.95,33.89 252.95,35.17
  TOP w0.325: A8_A11.15 236.43,35.22 ; 252.95,35.17 A8_A12.10
CI_A12: length 15.9
  TOP w0.229: 258.13,20.78 258.13,24.69 C_A13.1 257.67,25.15 257.67,27.94 258.19,28.46 RN1_A13.3 RN1_A13.8 258.19,32 258.13,32.07 258.13,35.22
  TOP w0.325: 258.13,20.78 A8_A13.10 ; 258.13,35.22 A8_A12.15
